# Altium PCB PCB1.PcbDoc
Units mm, origin at the board's own origin, x right, y up, seen from the top; angles counter-clockwise.
Board outline 40 x 70 mm, 2 copper layers (Top Layer, Bottom Layer), stack 1.58 mm thick; 57 components, 60 nets, 220 pads, 28 vias.
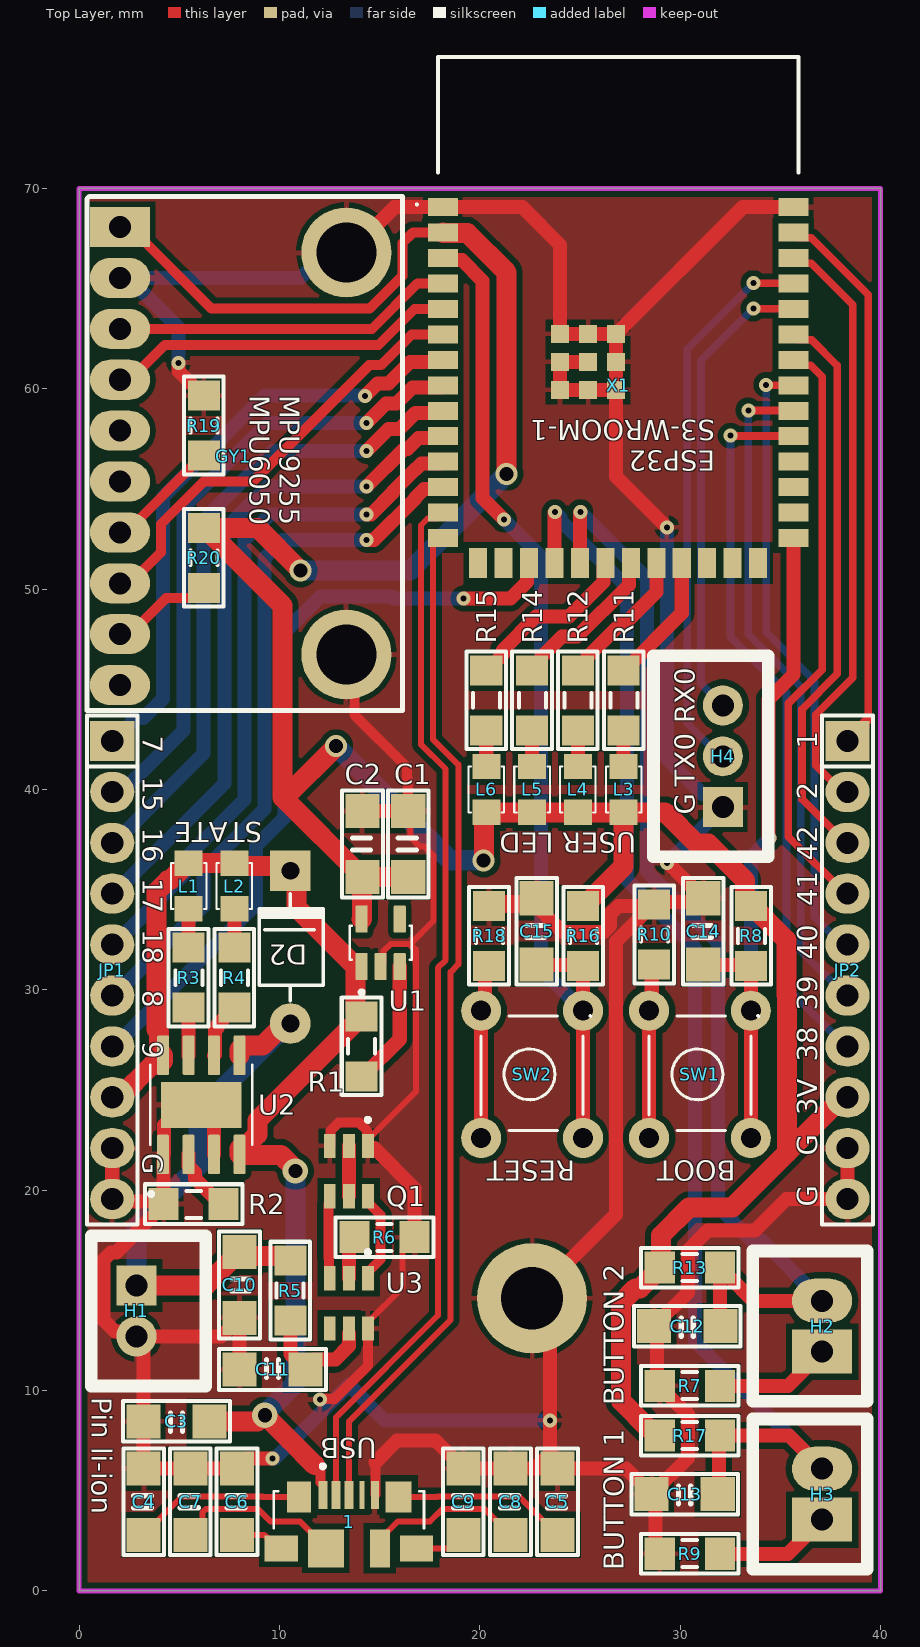
[diagram p0: Top Layer view]
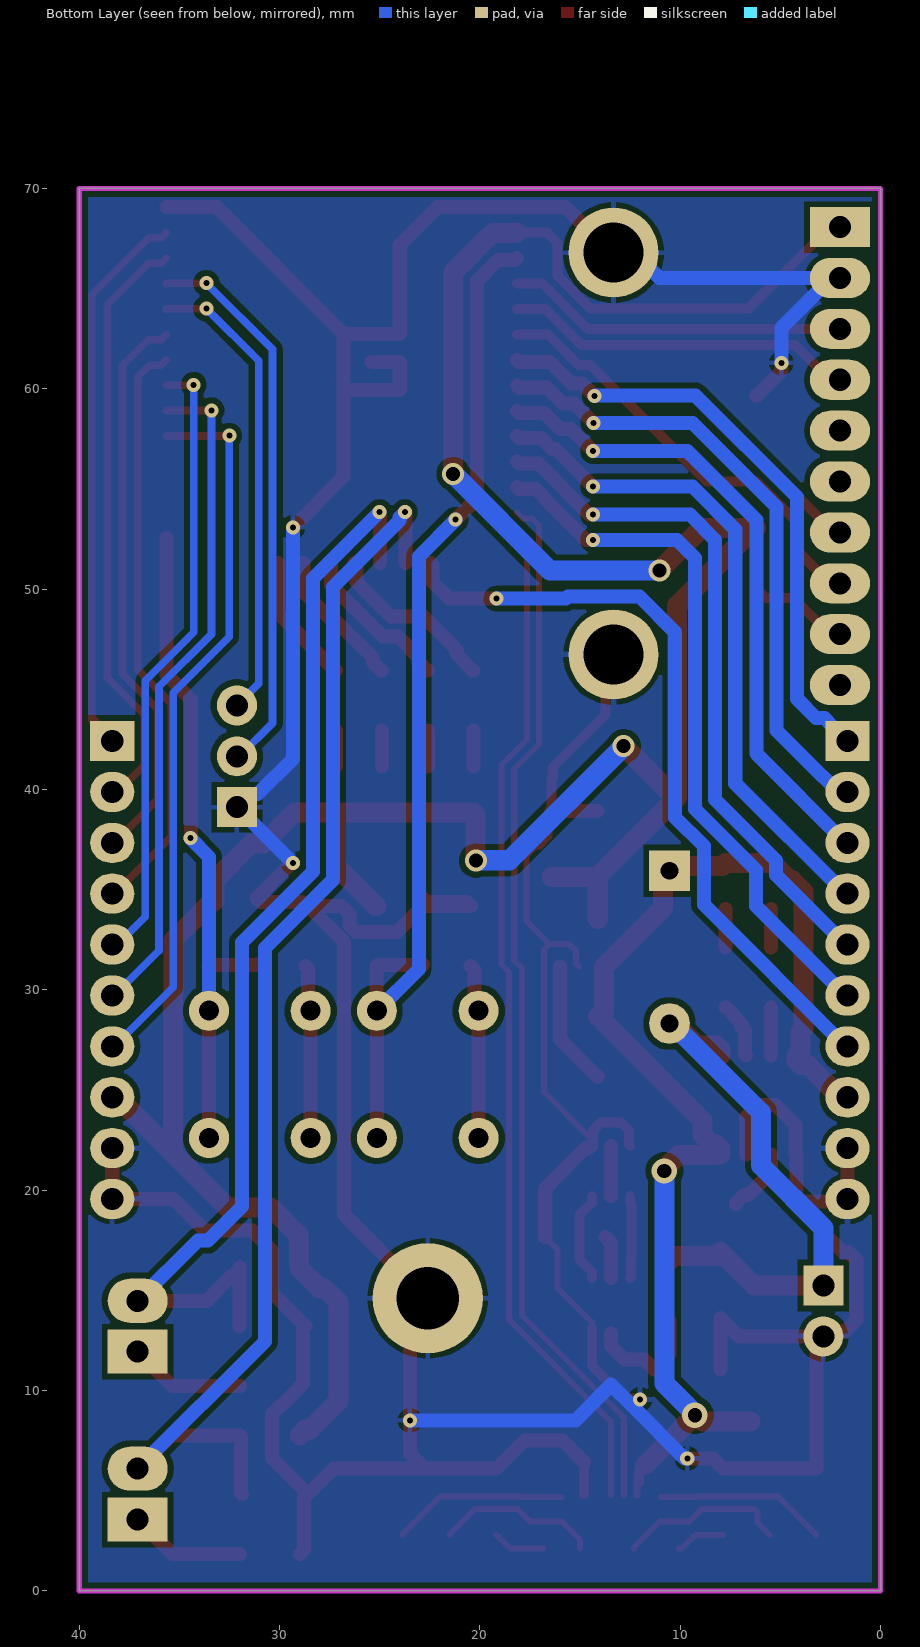
[diagram p1: Bottom Layer view, seen from below]
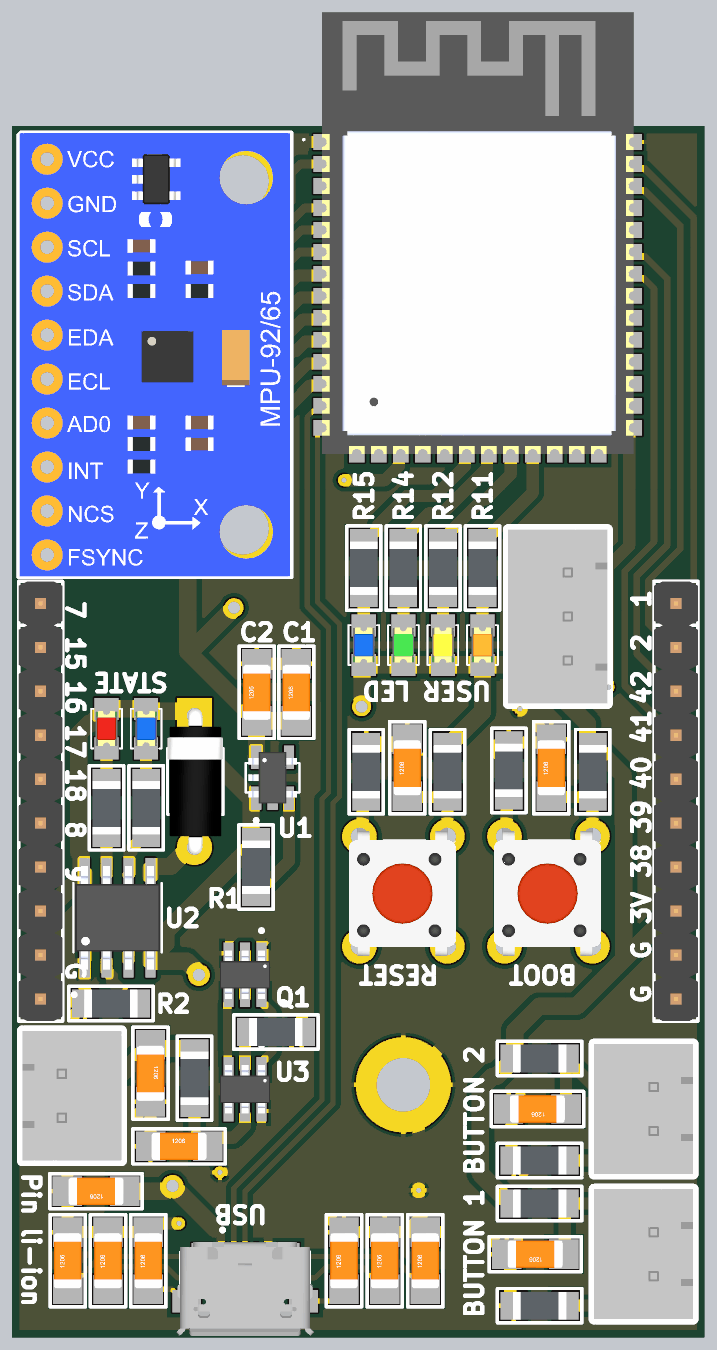
[diagram p2: 3D render of the assembled board from above, using the file's embedded part models]

## Layer stack, top to bottom
Top Solder: solder mask 0.01, Solder Resist, Dk 3.5
Top Layer: signal copper 0.035
Dielectric 1: dielectric 1.51, FR-4, Dk 4.8
Bottom Layer: signal copper 0.035
Bottom Solder: solder mask 0.01, Solder Resist, Dk 3.5

## Board outline
0,0 40,0 40,70 0,70

## Design rules (kind name [scope] priority, off if disabled: settings)
Clearance [All] p1: gap=0.3 ignorepadtopadclearanceinfootprint=FALSE except(0.2: Arc-SMDPad Track-SMDPad SMDPad-SMDPad)
HoleSize [All] p1: absolutevalues=TRUE maxlimit=6 minlimit=0.025 maxpercent=80.000 minpercent=20.000
HoleToHoleClearance [All] p1: gap=0 allowstackedmicrovias=TRUE
MinimumSolderMaskSliver [All] p1: minsoldermaskwidth=0
PolygonConnect [All] p1: connectstyle=Relief reliefconductorwidth=0.254 reliefentries=4 polygonreliefangle="90 Angle" airgapwidth=0.254
RoutingVias RoutingVias_power [InNetClass('power_class')] p1: holewidth=0.7 width=1.1 viastyle="Through Hole" minholewidth=0.7 minwidth=1.1 maxholewidth=0.7 maxwidth=1.1
RoutingVias RoutingVias_signal [All] p2: holewidth=0.3 width=0.7 viastyle="Through Hole" minholewidth=0.3 minwidth=0.7 maxholewidth=0.3 maxwidth=0.7
SilkToSilkClearance [All] p1: silktosilkclearance=0
SilkToSolderMaskClearance [IsPad] p1: minsilkscreentomaskgap=0 clearancetoexposedcopper=TRUE
SolderMaskExpansion [All] p1: expansion=0.102 istentingtop=FALSE
Width Width_power [InNetClass('power_class')] p1: maxlimit=1 minlimit=0.35 preferedwidth=0.5
Width Width_signal [All] p2: maxlimit=0.7 minlimit=0.3 preferedwidth=0.5
25 further rules are at their usual default settings.

## Classes and differential pairs
net class power_class: 3.3V 4.2V VIN

## Components (designator, comment, footprint, x,y, rotation, side; value= is the part's Value field where it differs from the comment)
1 "47346-0001" MOLEX_47346-0001 13.462,2.117 r0 top
C1 "10uF" "Cap 1206" 16.425,37.277 r90 top
C2 "1uF" "Cap 1206" 14.139,37.277 r90 top
C3 "100nF" "Cap 1206" 4.851,8.462 r180 top
C4 "100nF" "Cap 1206" 3.217,4.446 r90 top
C5 "100nF" "Cap 1206" 23.876,4.446 r90 top
C6 "100nF" "Cap 1206" 7.874,4.446 r90 top
C7 "100nF" "Cap 1206" 5.546,4.446 r90 top
C8 "100nF" "Cap 1206" 21.526,4.446 r90 top
C9 "100nF" "Cap 1206" 19.177,4.446 r90 top
C10 "10uF" "Cap 1206" 8.001,15.271 r270 top
C11 "100nF" "Cap 1206" 9.652,11.049 r0 top
C12 "100nF" "Cap 1206" 30.353,13.208 r180 top
C13 "100nF" "Cap 1206" 30.226,4.826 r180 top
C14 "100nF" "Cap 1206" 31.152,32.92 r90 top
C15 "100nF" "Cap 1206" 22.834,32.92 r90 top
D2 "100v" "DIODE 1A" 10.541,27.051 r270 top
GY1 "GY9250" GY9250 2.032,45.212 r0 top locked
H1 "Header 2P 2.54 Duc Thang" XH2.54M-2#1 2.858,15.24 r270 top
H2 "Header 2P 2.54 Duc Thang" XH2.54M-2#2 37.084,11.938 r90 top
H3 "Header 2P 2.54 Duc Thang" XH2.54M-2#2 37.084,3.556 r90 top
H4 "Header 3P 2.54 Duc Thang" XH2.54M-3 32.131,39.116 r90 top
JP1 "JP 1x10 2.54" "JP 1x10 DT" 1.651,42.418 r270 top
JP2 "JP 1x10 2.54" "JP 1x10 DT" 38.354,42.418 r270 top
L1 "LED 0805" LED-0805-Red 5.461,36.322 r270 top
L2 "LED 0805" LED-0805-Blue 7.747,36.322 r270 top
L3 "LED 0805" LED-0805-Orange 27.178,38.862 r90 top
L4 "LED 0805" LED-0805-Yellow 24.892,38.862 r90 top
L5 "LED 0805" LED-0805-Green 22.606,38.862 r90 top
L6 "LED 0805" LED-0805-Blue 20.32,38.862 r90 top
Q1 "FS8205" SOT95P280X145-6N 13.462,20.955 r270 top
R1 "10KR" "RES 1206" 14.097,27.178 r90 top
R2 "1K2R" "RES 1206" 5.715,19.304 r180 top
R3 "330R" "RES 1206" 5.461,30.607 r270 top
R4 "330R" "RES 1206" 7.747,30.607 r270 top
R5 "100R" "RES 1206" 10.541,14.986 r90 top
R6 "1KR" "RES 1206" 15.24,17.653 r180 top
R7 "100R" "RES 1206" 30.48,10.231 r0 top
R8 "10KR" "RES 1206" 33.54,32.692 r270 top
R9 "100R" "RES 1206" 30.48,1.849 r0 top
R10 "100R" "RES 1206" 28.702,32.766 r270 top
R11 "330R" "RES 1206" 27.178,44.45 r270 top
R12 "330R" "RES 1206" 24.892,44.45 r270 top
R13 "10KR" "RES 1206" 30.48,16.129 r0 top
R14 "330R" "RES 1206" 22.606,44.45 r270 top
R15 "330R" "RES 1206" 20.32,44.45 r270 top
R16 "10KR" "RES 1206" 25.158,32.692 r270 top
R17 "10KR" "RES 1206" 30.48,7.747 r0 top
R18 "100R" "RES 1206" 20.459,32.692 r270 top
R19 "10KR" "RES 1206" 6.223,58.166 r270 top
R20 "10KR" "RES 1206" 6.223,51.562 r270 top
SW1 "SW" SW4 28.448,22.606 r90 top value="Button chip 4 pin"
SW2 "SW" SW4 20.066,22.606 r90 top value="Button chip 4 pin"
U1 "AP2112K-3.3TRG1" SOT95P285X140-5N 15.052,32.343 r90 top
U2 "TP4056" SOP127P600X175-9N 6.096,24.257 r90 top
U3 "DW01A" SOT95P280X145-6N 13.462,14.351 r270 top
X1 "ESP32-S3-WROOM-1-N16R8" ESP32S3WROOM1N8R2 26.903,63.804 r0 top

## Footprints (in the part's own frame and the unit in brackets; to place one, negate y for a bottom-side part, rotate by r counter-clockwise, add the part's x,y. Pads: shape width x height; smd on the part's side, far side on the other; paste and mask are expansions set on the pad)
"Cap 1206" [mm]
  rect 1.7x1.7 smd: 1(-1.65,0) 2(1.65,0)
  silkscreen extent -2.67,-1.02 2.67,1.02, body extent -1.6,-0.8 1.6,0.8, height 1.02
"DIODE 1A" [mil] "Diode 1A"
  round 80 hole 35: 1(-50,0)
  rect 80x80 hole 35: 2(-350,0)
  silkscreen extent -305,-61 -95,65, body extent -366,-61 -34,65, height 122
ESP32S3WROOM1N8R2 [mm]
  rect 1.5x0.9 smd: 1(-8.75,5.26) 2(-8.75,3.99) 3(-8.75,2.72) 4(-8.75,1.45) 5(-8.75,0.18) 6(-8.75,-1.09) 7(-8.75,-2.36) 8(-8.75,-3.63) 9(-8.75,-4.9) 10(-8.75,-6.17) 11(-8.75,-7.44) 12(-8.75,-8.71) 13(-8.75,-9.98) 14(-8.75,-11.25) 27(8.75,-11.25) 28(8.75,-9.98) 29(8.75,-8.71) 30(8.75,-7.44) 31(8.75,-6.17) 32(8.75,-4.9) 33(8.75,-3.63) 34(8.75,-2.36) 35(8.75,-1.09) 36(8.75,0.18) 37(8.75,1.45) 38(8.75,2.72) 39(8.75,3.99) 40(8.75,5.26)
  rect 0.9x1.5 smd: 15(-6.985,-12.5) 16(-5.715,-12.5) 17(-4.445,-12.5) 18(-3.175,-12.5) 19(-1.905,-12.5) 20(-0.635,-12.5) 21(0.635,-12.5) 22(1.905,-12.5) 23(3.175,-12.5) 24(4.445,-12.5) 25(5.715,-12.5) 26(6.985,-12.5)
  rect 0.9x0.9 smd: 41(-1.5,-2.46) 42(-1.5,-1.06) 43(-2.9,-1.06) 44(-2.9,-2.46) 45(-2.9,-3.86) 46(-1.5,-3.86) 47(-0.1,-3.86) 48(-0.1,-2.46) 49(-0.1,-1.06)
  silkscreen extent -10.1,5.35 9,12.75, body extent -9,-12.75 9,12.75, height 3.25
GY9250 [mm]
  rect 3x2 hole 1.1: 1(0,22.86)
  oval 3x2 hole 1.1: 2(0,20.32) 3(0,17.78) 4(0,15.24) 5(0,12.7) 6(0,10.16) 7(0,7.62) 8(0,5.08) 9(0,2.54) 10(0,0)
  round 4.5 hole 3: ""(11.303,1.524) ""(11.303,21.59)
  silkscreen extent -1.65,-1.27 14.1,24.38, body extent -1.59,-1.23 14.01,24.37, height 13.1
"JP 1x10 DT" [mm] "10 pins, 1 row, straight, gold plating"
  rect 2x2.2 hole 1.1: 1(0,0)
  oval 2x2.2 hole 1.1: 2(2.54,0) 3(5.08,0) 4(7.62,0) 5(10.16,0) 6(12.7,0) 7(15.24,0) 8(17.78,0) 9(20.32,0) 10(22.86,0)
  silkscreen extent -1.27,-1.27 24.13,1.27, body extent -1.27,-1.27 24.13,1.27, height 8.54
LED-0805-Blue [mil]
  rect 50x55 smd: 1(0,0) 2(90,0)
  silkscreen extent 0,-35 90,35, body extent 5,-25 85,25, height 43
LED-0805-Green [mil]
  rect 50x55 smd: 1(0,0) 2(90,0)
  silkscreen extent 0,-35 90,35, body extent 5,-25 85,25, height 43
LED-0805-Orange [mil]
  rect 50x55 smd: 1(0,0) 2(90,0)
  silkscreen extent 0,-35 90,35, body extent 5,-25 85,25, height 43
LED-0805-Red [mil]
  rect 50x55 smd: 1(0,0) 2(90,0)
  silkscreen extent 0,-35 90,35, body extent 5,-25 85,25, height 43
LED-0805-Yellow [mil]
  rect 50x55 smd: 1(0,0) 2(90,0)
  silkscreen extent 0,-35 90,35, body extent 5,-25 85,25, height 43
MOLEX_47346-0001 [mm]
  rect 0.45x1.4 smd: 1(-1.3,2.66) 2(-0.65,2.66) 3(0,2.667)
  rect 0.25x1.4 smd: 4(0.65,2.66)
  rect 0.4x1.4 smd: 5(1.3,2.66)
  rect 1.2x1.55 smd: S1(-2.488,2.575)
  rect 1.3x1.55 smd: S2(2.488,2.575)
  rect 1.65x1.3 smd: S3(-3.375,0) S6(3.375,0)
  rect 1.8x1.9 smd: S4(-1.15,0)
  rect 1x1.9 smd: S5(1.55,0)
  silkscreen extent -3.75,1 3.75,4.2, body extent -3.99,-2.02 3.99,3.41, height 3.47
"RES 1206" [mm]
  rect 1.5x1.6 smd: 1(-1.5,0) 2(1.5,0)
  silkscreen extent -2.44,-0.99 2.44,0.99, body extent -1.55,-0.8 1.55,0.8, height 0.55
SOP127P600X175-9N [mm]
  rrect25% 1.97x0.6 smd: 1(-2.475,1.905) 2(-2.475,0.635) 3(-2.475,-0.635) 4(-2.475,-1.905) 5(2.475,-1.905) 6(2.475,-0.635) 7(2.475,0.635) 8(2.475,1.905)
  rect 2.3x4 smd paste-3: 9(0,0)
  silkscreen extent -4.54,-2.55 2,2.6, body extent -3,-2.45 3,2.45, height 1.75
SOT95P280X145-6N [mm]
  rect 1.21x0.59 smd: 1(-1.255,0.95) 2(-1.255,0) 3(-1.255,-0.95) 4(1.255,-0.95) 5(1.255,0) 6(1.255,0.95)
  silkscreen extent -2.65,0.85 -2.46,1.05, body extent -1.4,-1.45 1.4,1.45, height 1.45
SOT95P285X140-5N [mm]
  rrect15% 1.35x0.6 smd: 1(-1.185,0.95) 2(-1.185,0) 3(-1.185,-0.95) 4(1.185,-0.95) 5(1.185,0.95)
  silkscreen extent -2.57,-1.55 0.85,1.55, body extent -1.5,-1.4 1.5,1.4, height 1.4
SW4 [mm] "SW button 4pin, 250 x250 mil"
  round 2 hole 1: 1(0,0) 2(6.35,-5.08) 3(6.35,0) 4(0,-5.08)
  silkscreen extent 0.38,-5.46 6.1,0, body extent -0.9,-5.59 7,0.61, height 7
XH2.54M-2#1 [mm]
  rect 2x2 hole 1.1: 1(0,0)
  round 2 hole 1.1: 2(2.54,0)
  silkscreen extent -2.48,-2.26 5.02,3.46, body extent -2.48,-2.26 5.02,3.48, height 6.91
XH2.54M-2#2 [mm]
  rect 2.2x3 hole 1.1: 1(0,0)
  oval 2.2x3 hole 1.1: 2(2.54,0)
  silkscreen extent -2.48,-2.26 5.02,3.46, body extent -2.48,-2.26 5.02,3.48, height 6.91
XH2.54M-3 [mm]
  rect 2x2 hole 1.1: 1(0,0)
  round 2 hole 1.1: 2(2.54,0) 3(5.08,0)
  silkscreen extent -2.48,-2.26 7.56,3.46, body extent -2.48,-2.26 7.56,3.48, height 6.91

## Part data
1: "Conn Data USB Micro B w/Flange SMT Bottom Mnt LF", Package=None, Check_prices=https://www.snapeda.com/parts/47346-0001/Molex/view-part/?ref=eda, MF=Molex, MP=47346-0001, SnapEDA_Link=https://www.snapeda.com/parts/47346-0001/Molex/view-part/?ref=snap
C1 C2 C3 C4 C5 C6 C7 C8 C9 C10 C11 C12 C13 C14 C15: library part "Cap 1206", "Capacitor SMD 1206"
D2: library part "Diode 1N4007", "Cắm", Chung_Loai=Cắm, Don_Vi=Con, Ma_Hang=MH001063, Ten_Linh_Kien="Diode 1N4007 1A (DIP)"
H1 H2 H3 H4: "Cắm", Chung_Loai=Cắm, Don_Vi=Con
  H1 H2 H3: Ma_Hang=MH001283, Ten_Linh_Kien="Header 2P XH2.54-2P Đực Thẳng"
  H4: Ma_Hang=MH001292, Ten_Linh_Kien="Header 3P XH2.54-3P Đực Thẳng"
JP1 JP2: library part "JP 1x10 2.54 Duc Thang", "Cắm", Chung_Loai=Cắm, Don_Vi=Con, Ma_Hang=MH000903, Ten_Linh_Kien="Jump Đơn Đực 2.54MM 1x40P Thẳng 11MM"
L1: library part "LED 0805 Do", "Dán", Chung_Loai=Dán, Don_Vi=Con, Ma_Hang=MH000897, Ten_Linh_Kien="LED 0805 Màu Đỏ (Red)"
L2 L6: library part "LED 0805 Xanh Duong", "Dán", Chung_Loai=Dán, Don_Vi=Con, Ma_Hang=MH002327, Ten_Linh_Kien="LED 0805 Màu Xanh Dương (Blue)"
L3: library part "LED 0805 Cam", "Dán", Chung_Loai=Dán, Don_Vi=Con, Ma_Hang=MH002328, Ten_Linh_Kien="LED 0805 Màu Cam ( Orange)"
L4: library part "LED 0805 Vang", "Dán", Chung_Loai=Dán, Don_Vi=Con, Ma_Hang=MH002329, Ten_Linh_Kien="LED 0805 Màu Vàng ( Yellow)"
L5: library part "LED 0805 Xanh La", "Dán", Chung_Loai=Dán, Don_Vi=Con, Ma_Hang=MH002326, Ten_Linh_Kien="LED 0805 Màu Xanh Lá (Green)"
Q1: "ÐœÐžÐŸ-Ñ‚Ñ€Ð°Ð½Ð·Ð¸ÑÑ‚Ð¾Ñ€ Ñ Ð´Ð²Ð¾Ð¹Ð½Ñ‹Ð¼ N-ÐºÐ°Ð½Ð°Ð»ÑŒÐ½Ñ‹Ð¼ Ñ€ÐµÐ¶Ð¸Ð¼Ð¾Ð¼ ÑƒÑÐ¸Ð»ÐµÐ½Ð¸Ñ Ð¼Ð¾Ñ‰Ð½Ð¾ÑÑ‚Ð¸", Package=Package, Check_prices=https://www.snapeda.com/parts/FS8205/Fortune+Semiconductor/view-part/?ref=eda, MF="Fortune Semiconductor", MP=FS8205, SnapEDA_Link=https://www.snapeda.com/parts/FS8205/Fortune+Semiconductor/view-part/?ref=snap
R1 R2 R3 R4 R5 R6 R7 R8 R9 R10 R11 R12 R13 R14 R15 R16 R17 R18 R19 R20: library part "RES 1206", "RES SMD 1206", Manufacturer="Vishay Dale", Manufacturer Part Number=CRCW040210K0FKED, Operating Temperature="-55°C ~ 155°C", Package / Case="0402 (1005 Metric)", Power (Watts)="0.063W, 1/16W", Resistance (Ohms)=10k, Supplier Part Number 1=541-10.0KLCT-ND, Temperature Coefficient=±100ppm/°C, Tolerance=±1%, Category=Resistors, ComponentLink1Description=http://www.vishay.com/docs/20035/dcrcwe3.pdf, ComponentLink1URL=http://www.vishay.com/docs/20035/dcrcwe3.pdf, Composition="Thick Film", Features="Automotive AEC-Q200", Height="0.016\" (0.40mm)", Number of Terminations=2, Packaging="Cut Tape (CT)", Pricing 1="10=0.083, 50=0.0444, 200=0.0255, 1000=0.0174 (USD)", RoHS="RoHS Compliant", Size / Dimension="0.039\" L x 0.020\" W (1.00mm x 0.50mm)", Stock 1=2392462, Supplier 1=Digi-Key, Supplier Device Package="0402 (1005 Metric)"
SW1 SW2: library part SW4, "Switch button 4 pin"
U1: "Linear Voltage Regulator IC Positive Fixed 1 Output 600mA SOT-25", Package="SOT-753 Diodes Inc.", Availability="In Stock", Check_prices=https://www.snapeda.com/parts/AP2112K-3.3TRG1/Diodes+Inc./view-part/?ref=eda, MF="Diodes Inc.", MP=AP2112K-3.3TRG1, Price=None, Purchase-URL=https://pricing.snapeda.com/search/part/AP2112K-3.3TRG1/?ref=eda, SnapEDA_Link=https://www.snapeda.com/parts/AP2112K-3.3TRG1/Diodes+Inc./view-part/?ref=snap
U2: "Complete single cell Li-Ion battery with a constant current / constant voltage linear charger", Package=Package, Availability="Not in stock", Check_prices=https://www.snapeda.com/parts/TP4056/NanJing+Top+Power+ASIC+Corp./view-part/?ref=eda, MF="NanJing Top Power ASIC Corp.", MP=TP4056, Price=None, SnapEDA_Link=https://www.snapeda.com/parts/TP4056/NanJing+Top+Power+ASIC+Corp./view-part/?ref=snap
U3: "One Cell Lithium-ion/Polymer Battery Protection IC", Package="SOT-23-6 Fortune Semiconductor", Check_prices=https://www.snapeda.com/parts/DW01A/Fortune+Semiconductor/view-part/?ref=eda, MF="Fortune Semiconductor", MP=DW01A, SnapEDA_Link=https://www.snapeda.com/parts/DW01A/Fortune+Semiconductor/view-part/?ref=snap
X1: "Bluetooth, WiFi 802.11b/g/n, Bluetooth v5.0 Transceiver Module 2.4GHz PCB Trace Surface Mount", Package="NON STANDARD Espressif Systems", Check_prices=https://www.snapeda.com/parts/ESP32-S3-WROOM-1-N16R8/Espressif+Systems/view-part/?ref=eda, MF="Espressif Systems", MP=ESP32-S3-WROOM-1-N16R8, SnapEDA_Link=https://www.snapeda.com/parts/ESP32-S3-WROOM-1-N16R8/Espressif+Systems/view-part/?ref=snap

## Free pads (board coordinates)
  round 5.5 hole 3.1: ""(22.606,14.605)

## Via types
v1: diameter 0.7, hole 0.3, Top Layer to Bottom Layer, 22 vias
v2: diameter 1.1, hole 0.7, Top Layer to Bottom Layer, 4 vias
v3: diameter 1.27, hole 0.711, Top Layer to Bottom Layer, 2 vias

## Nets (pads, with @x,y where several pads share a name; then routed paths per layer and width w, separated by ;. In a path a pad name is that pad's centre, name@x,y a point inside that pad or via, vN(x,y) a via of type N, cw(c..) or ccw(c..) an arc to the next point about the centre after c; other vN are vias at no path point)
3.3V: C1.1 C2.1 GY1.1 JP2.8 L3.1 L4.1 L5.1 L6.1 R8.1 R13.1 R16.1 R17.1 R20.1 U1.5 X1.2 | length 151.9
  Top Layer w0.5: GY1.1 2.532,68.072 6.602,64.002 14.495,64.002 16.135,65.642 16.135,67.276 16.653,67.794 X1.2
  Top Layer w1: R20.1 R20.1@6.273,53.062 ; v2(11.049,50.927) 8.914,53.062 R20.1@6.273,53.062 ; v2(12.827,42.164) 10.273,39.61 10.156,39.61 ; U1.5 14.12,33.547 14.12,35.608 C2.1 ; C1.1 C2.1 ; X1.2 18.173,67.774 19.379,67.774 21.336,65.817 v2(21.336,55.753) ; v2(20.193,36.449) 20.212,36.468 20.212,38.754 L6.1 L5.1 L4.1 L3.1 ; R16.1 25.208,34.192 27.178,36.162 L3.1 ; R17.1 28.98,7.797 28.73,8.047 28.483,8.047 27.053,9.477 27.053,14.389 27.76,15.097 27.997,15.097 28.98,16.079 R13.1 29.042,16.191 29.042,17.739 30.448,19.145 32.612,19.145 35.328,21.86 ; JP2.8 38.106,24.638 35.328,21.86 ; R20.1@6.273,53.062 10.156,49.179 10.156,39.61 ; 10.156,39.61 C2.1 ; L3.1 29.254,38.862 30.809,37.307 31.4,37.307 33.24,35.467 33.24,34.442 33.34,34.442 35.299,32.483 35.299,29.731 35.328,29.702 35.328,21.86
  Bottom Layer w1: v2(11.049,50.927) 16.51,50.927 v2(21.336,55.753) ; v2(12.827,42.164) 18.523,36.468 20.174,36.468 v2(20.193,36.449)
4.2V: C10.1 D2.1 H1.1 R5.2 U2.5 | length 28.3
  Top Layer w1: H1.1 6.32,15.24 C10.1 8.218,16.703 10.324,16.703 R5.2 ; U2.5 8.001,27.017 8.201,27.217 9.158,27.217 10.262,28.321 D2.1
  Bottom Layer w1: H1.1 2.859,18.12 5.969,21.23 5.969,23.876 10.414,28.321 D2.1
B-: 1.5 C1.2 C2.2 C3.2 C4.2 C5.2 C6.2 C7.2 C8.2 C9.2 C10.2 C11.1 C12.2 C13.2 C14.2 C15.2 GY1. GY1.2 H1.2 H4.1 JP1.9 JP1.10 JP2.9 JP2.10 pad. Q1.1 Q1.3 R2.2 R6.1 R7.1 R9.1 R10.1 R18.1 R19.1 U1.2 U2.1 U2.3 U2.9 U3.6 X1.1 X1.40 X1.41 X1.42 X1.43 X1.44 X1.45 X1.46 X1.47 X1.48 X1.49 | length 295.1
  Top Layer w0.3: U3.6 14.412,13.406 16.14,15.134 16.14,17.053 R6.1 ; Q1.1@14.412,22.52 16.802,24.91 16.802,32.007 16.526,32.283 ; U1.2 15.202,31.308 15.202,31.943 15.542,32.283 16.526,32.283 ; C1.2 16.526,38.826 16.526,37.627 17.008,37.145 17.243,37.145 17.688,36.7 17.688,33.445 16.526,32.283
  Top Layer w0.4: 1.5 1.5@14.8,4.814
  Top Layer w0.5: v1(12.012,9.549) 12.05,9.587 12.762,9.587 14.412,11.237 U3.6 ; Q1.3 12.557,22.255 12.557,22.983 12.939,23.365 13.985,23.365 14.367,22.983 14.367,22.255 Q1.1 ; GY1.@13.335,46.736 13.734,46.337 13.734,43.736 16.353,41.117 16.353,40.599 16.425,40.527 C1.2 ; 1.5@14.8,4.814 14.8,6.418
  Top Layer w0.7: JP1.9 JP1.10 1.778,19.431 4.038,19.431 R2.2@4.203,19.266 ; v1(4.953,61.292) 4.953,60.886 6.173,59.666 R19.1 ; U2.3 6.731,23.622 U2.9 5.246,24.257 4.241,23.252 4.241,21.832 U2.1 4.203,21.77 R2.2@4.203,19.266 ; C11.1 C10.2 7.08,12.7 H1.2 ; v1(9.652,6.604) 9.644,6.596 8.374,6.596 C6.2 C7.2 C4.2 3.209,6.104 3.209,8.454 C3.2 3.201,12.114 2.859,12.456 H1.2 ; GY1.@13.335,66.802 13.478,66.802 15.74,69.064 X1.1 22.122,69.064 24.003,67.183 X1.43 X1.42 X1.49 ; C2.2 C1.2 ; Q1.1@14.462,22.21 14.574,22.098 14.732,22.098 16.74,20.09 R6.1 ; 14.8,6.418 15.875,7.493 17.78,7.493 C9.2 C8.2 22.733,6.096 ; C15.2 22.645,34.381 20.648,34.381 R18.1 22.83,34.192 24.13,32.892 26.186,32.892 26.508,33.214 26.508,33.782 26.918,34.192 R10.1@28.578,34.192 ; X1.41 X1.44 X1.45 X1.46 X1.47 ; R9.1 28.778,2.051 28.778,4.624 C13.2 ; v1(29.337,36.322) 29.401,36.322 C14.2 30.963,34.381 28.903,34.381 28.714,34.192 R10.1@28.578,34.192 ; v1(29.337,53.086) 26.803,55.62 X1.47 ; H4.1 H4.1@32.781,38.466 ; X1.40 33.123,69.064 X1.49 ; JP2.9 JP2.10 35.297,19.558 33.733,17.995 31.376,17.995 30.38,16.998 30.38,14.885 C12.2 28.841,13.07 28.841,10.37 R7.1 28.98,10.181 29.964,9.197 29.999,9.197 30.38,8.816 30.38,6.63 C13.2 ; H1.2 2.61,12.949 1.783,12.949 1.209,13.523 1.209,16.509 1.589,16.89 1.851,16.89 4.215,19.254 R2.2@4.203,19.266 ; 22.733,6.096 23.495,6.858 v1(23.495,8.509) 23.495,13.716 pad. 26.798,18.797 26.798,32.412 R10.1@28.578,34.192 ; 22.733,6.096 C5.2 27.306,6.096 C13.2 ; X1.47 X1.48 X1.49
  Bottom Layer w0.7: GY1.2 GY1.2@2.532,65.532 ; v1(4.953,61.292) 4.953,63.047 2.532,65.468 GY1.2@2.532,65.532 ; v1(9.652,6.604) 9.779,6.604 12.368,9.193 ; v1(12.012,9.549) 12.368,9.193 ; GY1.@13.335,66.802 12.307,66.802 11.037,65.532 GY1.2@2.532,65.532 ; v1(23.495,8.509) 15.24,8.509 13.462,10.287 12.368,9.193 ; v1(29.337,36.322) H4.1 31.481,39.766 31.1,39.766 29.337,41.529 v1(29.337,53.086)
BOOT: C14.1 R8.2 SW1.2 SW1.4 X1.27 | length 35.5
  Top Layer w0.7: C14.1 31.192,31.231 33.501,31.231 R8.2 33.534,31.186 33.534,28.962 SW1.2 SW1.4 ; v1(34.459,37.569) 34.417,37.611 34.417,44.496 35.653,45.732 X1.27
  Bottom Layer w0.7: SW1.2 33.528,36.637 v1(34.459,37.569)
BUTTON1: C13.1 H3.2 R17.2 X1.18 | length 64.6
  Top Layer w0.7: X1.18 23.728,53.827 v1(23.749,53.848) ; C13.1 31.928,4.878 31.928,7.695 R17.2 35.433,7.747 H3.2
  Bottom Layer w0.7: v1(23.749,53.848) 24.019,53.578 24.019,53.434 27.337,50.116 27.337,35.494 30.734,32.097 30.734,12.446 H3.2
BUTTON2: C12.1 H2.2 R13.2 X1.19 | length 55.9
  Top Layer w0.7: X1.19 24.998,53.827 v1(25.019,53.848) ; R13.2 31.992,16.118 R13.2@31.992,16.068 ; C12.1 31.992,13.22 R13.2@31.992,16.068 ; H2.2 33.631,14.478 32.43,15.679 32.38,15.679 R13.2@31.992,16.068
  Bottom Layer w0.7: v1(25.019,53.848) 28.337,50.53 28.337,35.908 31.877,32.368 31.877,19.177 33.569,17.485 34.077,17.485 H2.2
CHRG_LED: R3.2 U2.7 | length 2.4
  Top Layer w0.7: U2.7 R3.2
INT: GY1.8 X1.6 | length 22.1
  Top Layer w0.5: GY1.8 2.532,50.292 4.082,51.842 4.082,53.249 6.199,55.366 8.665,55.366 14.479,61.18 15.067,61.18 16.601,62.714 X1.6
IO1: JP2.1 X1.39 | length 26.6
  Top Layer w0.381: X1.39 35.913,67.534 36.536,67.534 39.383,64.688 39.383,43.52 39.323,43.461
  Top Layer w0.5: JP2.1@39.204,43.168 39.204,43.342 39.323,43.461
IO2: JP2.2 X1.38 | length 29.8
  Top Layer w0.381: X1.38 35.913,66.264 36.536,66.264 38.608,64.193 38.608,45.572 36.764,43.727 36.764,41.215 38.1,39.878 JP2.2
IO7: JP1.1 X1.7 | length 30.4
  Top Layer w0.7: v1(14.27,59.644) 14.899,60.272 15.432,60.272 16.504,61.344 18.053,61.344 X1.7
  Bottom Layer w0.7: JP1.1 1.751,42.418 2.401,43.068 2.401,43.152 2.811,43.562 3.215,43.562 4.182,44.529 4.182,54.601 9.252,59.671 14.243,59.671 v1(14.27,59.644)
IO8: JP1.6 X1.12 | length 35.4
  Top Layer w0.7: v1(14.351,52.451) 14.705,52.451 16.753,54.499 16.753,54.543 17.204,54.994 18.053,54.994 X1.12
  Bottom Layer w0.7: JP1.6 1.751,29.718 6.215,34.182 6.215,35.981 9.256,39.022 9.256,51.547 10.16,52.451 v1(14.351,52.451)
IO9: JP1.7 X1.17 | length 38.5
  Top Layer w0.7: v1(19.177,49.53) 21.533,49.53 22.358,50.355 22.358,51.204 X1.17
  Bottom Layer w0.7: JP1.7 1.751,27.178 8.822,34.249 8.822,37.173 10.256,38.607 10.256,47.848 12.044,49.636 15.602,49.636 15.708,49.53 v1(19.177,49.53)
IO15: JP1.2 X1.8 | length 31.4
  Top Layer w0.7: v1(14.342,58.302) 15.313,59.272 15.846,59.272 16.648,60.074 18.053,60.074 X1.8
  Bottom Layer w0.7: JP1.2 2.103,39.878 2.879,40.654 2.906,40.654 5.207,42.955 5.207,54.102 9.398,58.293 14.334,58.293 v1(14.342,58.302)
IO16: JP1.3 X1.9 | length 32.3
  Top Layer w0.7: v1(14.351,56.896) 15.449,57.994 15.982,57.994 16.792,58.804 18.053,58.804 X1.9
  Bottom Layer w0.7: JP1.3 1.751,37.338 6.207,41.794 6.207,53.451 9.652,56.896 v1(14.351,56.896)
IO17: JP1.4 X1.10 | length 33.4
  Top Layer w0.7: v1(14.351,55.118) 16.227,56.994 16.396,56.994 16.936,57.534 18.053,57.534 X1.10
  Bottom Layer w0.7: JP1.4 1.751,34.798 7.256,40.303 7.256,52.976 9.398,55.118 v1(14.351,55.118)
IO18: JP1.5 X1.11 | length 34.5
  Top Layer w0.7: v1(14.351,53.721) 14.561,53.721 15.675,54.835 15.675,54.88 16.79,55.994 16.811,55.994 17.081,56.264 18.053,56.264 X1.11
  Bottom Layer w0.7: JP1.5 1.751,32.258 5.215,35.722 5.215,36.457 8.256,39.498 8.256,52.452 9.525,53.721 v1(14.351,53.721)
IO38: JP2.7 X1.31 | length 36.1
  Top Layer w0.381: v1(32.512,57.658) 32.524,57.646 35.641,57.646 X1.31
  Bottom Layer w0.381: v1(32.512,57.658) 32.512,47.625 35.306,44.831 35.306,30.126 38.254,27.178 JP2.7
IO39: JP2.6 X1.32 | length 33.6
  Top Layer w0.381: v1(33.401,58.928) 33.413,58.916 35.641,58.916 X1.32
  Bottom Layer w0.381: v1(33.401,58.928) 33.401,47.752 36.022,45.131 36.022,31.95 38.254,29.718 JP2.6
IO40: JP2.5 X1.33 | length 31.1
  Top Layer w0.381: v1(34.29,60.198) 34.302,60.186 35.641,60.186 X1.33
  Bottom Layer w0.381: v1(34.29,60.198) 34.29,47.849 36.703,45.436 36.703,33.655 38.1,32.258 JP2.5
IO41: JP2.4 X1.34 | length 29.6
  Top Layer w0.381: X1.34 35.913,61.184 36.509,61.184 37.084,60.61 37.084,45.974 35.402,44.292 35.402,37.65 38.254,34.798 JP2.4
IO42: JP2.3 X1.35 | length 28.4
  Top Layer w0.381: X1.35 35.913,62.454 36.554,62.454 37.846,61.162 37.846,45.773 36.083,44.009 36.083,39.509 38.254,37.338 JP2.3
LED1: R15.1 X1.20 | length 8.8
  Top Layer w0.7: R15.1 20.37,45.95 21.156,46.736 21.156,46.969 22.814,48.627 24.44,48.627 26.168,50.355 26.168,51.204 X1.20
LED2: R14.1 X1.21 | length 7.9
  Top Layer w0.7: R14.1 22.656,45.95 23.056,46.35 23.056,46.583 24.1,47.627 24.854,47.627 27.438,50.211 27.438,51.204 X1.21
LED3: R12.1 X1.22 | length 7.1
  Top Layer w0.7: R12.1 24.942,45.95 25.342,46.35 25.342,46.583 27.176,48.418 27.36,48.418 28.808,49.866 X1.22
LED4: R11.1 X1.23 | length 6.6
  Top Layer w0.7: R11.1 27.228,45.95 30.078,48.8 X1.23
Net1_S1: 1.S1 C4.1 | length 8.6
  Top Layer w0.3: C4.1 4.246,3.824 4.246,3.832 5.109,4.696 9.159,4.696 9.163,4.692 1.S1
Net1_S2: 1.S2 C5.1 | length 8.7
  Top Layer w0.3: 1.S2 17.888,4.692 17.892,4.696 21.976,4.696 C5.1
Net1_S3: 1.S3 C6.1 | length 2.5
  Top Layer w0.3: C6.1 9.233,2.796 9.912,2.117 1.S3
Net1_S4: 1.S4 C7.1 | length 8.5
  Top Layer w0.3: C7.1 6.158,3.408 6.158,3.92 6.334,4.096 8.91,4.096 9.54,3.467 11.012,3.467 12.312,2.167 1.S4
Net1_S5: 1.S5 C8.1 | length 8.1
  Top Layer w0.3: 1.S5 15.012,2.567 15.912,3.467 17.511,3.467 18.141,4.096 20.227,4.096 C8.1
Net1_S6: 1.S6 C9.1 | length 2.6
  Top Layer w0.3: 1.S6 18.498,2.117 C9.1
NetC11_2: C11.2 R5.1 U3.5 | length 6
  Top Layer w0.7: R5.1 10.541,11.81 C11.2 11.802,11.549 12.784,11.549 13.457,12.222 U3.5@13.457,12.841
NetGY1_7: GY1.7 R19.2 | length 5.8
  Top Layer w0.5: GY1.7 2.339,52.832 6.173,56.666 R19.2
NetGY1_9: GY1.9 R20.2 | length 5.1
  Top Layer w0.5: GY1.9 2.532,47.752 4.342,49.562 5.723,49.562 R20.2
NetH2_1: H2.1 R7.2 | length 5.8
  Top Layer w0.7: R7.2 35.377,10.231 H2.1
NetH3_1: H3.1 R9.2 | length 5.8
  Top Layer w0.7: R9.2 35.377,1.849 H3.1
NetL1_2: L1.2 R3.1 | length 1.9
  Top Layer w0.7: R3.1 L1.2
NetL2_2: L2.2 R4.1 | length 1.9
  Top Layer w0.7: R4.1 L2.2
NetL3_2: L3.2 R11.2 | length 1.8
  Top Layer w0.7: L3.2 R11.2
NetL4_2: L4.2 R12.2 | length 1.8
  Top Layer w0.7: L4.2 R12.2
NetL5_2: L5.2 R14.2 | length 1.8
  Top Layer w0.7: L5.2 R14.2
NetL6_2: L6.2 R15.2 | length 1.8
  Top Layer w0.7: L6.2 R15.2
NetQ1_2: Q1.2 Q1.5 | length 2.5
  Top Layer w0.7: Q1.5 Q1.2
NetQ1_4: Q1.4 U3.3 | length 4.2
  Top Layer w0.5: U3.3 12.467,15.651 12.467,16.598 12.44,16.625 12.44,19.318 12.512,19.39 Q1.4
NetQ1_6: Q1.6 U3.1 | length 4.6
  Top Layer w0.5: U3.1 14.412,15.916 15.04,16.544 15.04,18.762 14.412,19.39 Q1.6
NetR1_1: R1.1 U1.3 | length 6.3
  Top Layer w0.7: R1.1 14.147,25.678 16.002,27.533 U1.3
NetR2_1: R2.1 U2.2 | length 3.3
  Top Layer w0.7: U2.2 5.461,21.197 5.781,20.877 5.781,20.572 6.599,19.754 6.815,19.754 7.215,19.354 R2.1
NetR6_2: R6.2 U3.2 | length 2.2
  Top Layer w0.7: U3.2 13.467,15.611 13.467,17.38 R6.2
NetR10_2: R10.2 SW1.1 SW1.3 | length 8.7
  Top Layer w0.7: SW1.1 SW1.3 28.581,29.089 28.581,31.059 R10.2@28.714,31.192
NetR18_2: R18.2 SW2.1 SW2.3 | length 8.7
  Top Layer w0.7: SW2.1 SW2.3 20.262,29.152 20.262,30.995 R18.2
RESET: C15.1 R16.2 SW2.2 SW2.4 X1.3 | length 51.9
  Top Layer w0.7: X1.3 18.253,66.424 19.102,66.424 20.136,65.39 20.136,54.54 v1(21.209,53.467) ; C15.1 22.873,31.231 25.119,31.231 R16.2 25.152,31.186 25.152,28.962 SW2.2 SW2.4
  Bottom Layer w0.7: v1(21.209,53.467) 23.053,51.623 23.053,31.049 SW2.2
RX0: H4.3 X1.36 | length 23.4
  Top Layer w0.381: v1(33.655,64.008) 33.667,63.996 35.641,63.996 X1.36
  Bottom Layer w0.381: H4.3 31.036,45.291 31.036,61.389 v1(33.655,64.008)
SCL: GY1.3 X1.4 | length 17.1
  Top Layer w0.5: GY1.3 14.616,62.992 16.878,65.254 X1.4
SDA: GY1.4 X1.5 | length 17.6
  Top Layer w0.5: GY1.4 2.532,60.452 4.272,62.192 14.948,62.192 16.74,63.984 X1.5
STDBY_LED: R4.2 U2.6 | length 2.8
  Top Layer w0.7: U2.6 6.781,26.782 6.781,27.958 6.911,28.088 6.911,28.271 7.297,28.657 7.297,28.707 7.697,29.107 R4.2
TX0: H4.2 X1.37 | length 27.8
  Top Layer w0.381: v1(33.655,65.278) 33.667,65.266 35.641,65.266 X1.37
  Bottom Layer w0.381: H4.2 32.004,41.656 30.355,43.305 30.355,61.978 v1(33.655,65.278)
USB_D+: 1.3 X1.14 | length 50.9
  Top Layer w0.3: 1.3 13.462,8.449 18.542,13.529 18.542,30.886 18.923,31.267 18.923,41.235 17.653,42.505 17.653,52.254 17.953,52.554 X1.14
USB_D-: 1.2 X1.13 | length 52.5
  Top Layer w0.3: 1.2 12.812,8.647 17.907,13.742 17.907,31.1 18.288,31.481 18.288,41.021 17.053,42.256 17.053,53.178 17.399,53.524 17.853,53.524 X1.13
VIN: 1.1 C3.1 D2.2 JP1.8 L1.1 L2.1 R1.2 U1.1 U2.4 U2.8 | length 61.5
  Top Layer w0.35: 1.1@12.05,5.414 12.162,5.302 1.1
  Top Layer w0.4: 11.763,6.271 12.05,5.985
  Top Layer w0.5: 1.1@12.05,5.414 12.05,5.985
  Top Layer w1: JP1.8 2.022,24.638 3.631,26.247 3.991,26.247 4.191,26.447 U2.8 3.991,26.932 3.991,27.896 3.861,28.026 3.861,34.901 4.431,35.471 4.547,35.471 5.397,36.322 L1.1 L2.1 7.882,36.187 10.295,36.187 D2.2 10.856,35.626 10.856,34.102 13.8,31.158 13.8,28.928 R1.2@14.05,28.678 ; C3.1 8.897,8.462 9.198,8.763 v3(9.271,8.763) 10.508,7.526 11.763,6.271 ; U2.4 8.001,22.067 8.201,22.267 8.387,22.267 8.896,22.776 8.896,23.477 13.797,28.378 13.797,28.428 14.047,28.678 R1.2@14.05,28.678 ; U2.4@8.201,21.75 10.084,21.75 10.743,21.091 10.743,21.007 v3(10.795,20.955) ; R1.2 R1.2@14.05,28.678
  Bottom Layer w1: v3(9.271,8.763) 9.271,8.836 10.795,10.36 v3(10.795,20.955)
pads on no net: 1.4 GY1.5 GY1.6 GY1.10 U1.4 U3.4 X1.15 X1.16 X1.24 X1.25 X1.26 X1.28 X1.29 X1.30

## Polygon pours and split planes (outlines as drawn)
B- on Top Layer "B-_L01_P000" (solid, remove dead copper, pour order 0): 0,0 40.005,0 40.005,69.977 0,69.977
B- on Bottom Layer "B-_L02_P001" (solid, remove dead copper, pour order 1): 0,0 40.005,0 40.005,69.977 0,69.977

## Keep-outs
Keep-Out Layer:
  the board outline again, w0.254

## Silkscreen, mask and mechanical layers (free items; w line width, h text height)
Top Overlay:
  text "MPU9255 / MPU6050" at 8.509,59.69 h1 r270
  text "ESP32 / S3-WROOM-1" at 31.75,58.42 h1 r180
  text "RX0" at 30.734,43.307 h1 r90
  text "7" at 3.175,42.672 h1 r270
  text "1" at 36.83,42.037 h1 r90
  text "15" at 3.175,40.64 h1 r270
  text "TX0" at 30.734,40.132 h1 r90
  text "2" at 36.83,39.497 h1 r90
  text "G" at 30.734,38.735 h1 r90
  text "STATE" at 9.144,38.354 h1 r180
  text "16" at 3.175,38.1 h1 r270
  text "USER LED" at 27.813,37.846 h1 r180
  text "42" at 36.83,36.449 h1 r90
  text "17" at 3.175,35.56 h1 r270
  text "41" at 36.83,34.163 h1 r90
  text "18" at 3.175,33.02 h1 r270
  text "40" at 36.83,31.496 h1 r90
  text "8" at 3.175,29.972 h1 r270
  text "39" at 36.83,28.956 h1 r90
  text "9" at 3.175,27.432 h1 r270
  text "38" at 36.83,26.416 h1 r90
  text "3V" at 36.83,23.749 h1 r90
  text "G" at 3.175,21.844 h1 r270
  text "G" at 36.83,21.717 h1 r90
  text "RESET" at 24.765,21.463 h1 r180
  text "BOOT" at 32.766,21.463 h1 r180
  text "G" at 36.83,19.177 h1 r90
  text "Pin li-ion" at 0.635,9.652 h1 r270
  text "BUTTON 2" at 27.178,9.271 h1 r90
  text "USB" at 14.859,7.62 h1 r180
  text "BUTTON 1" at 27.178,1.016 h1 r90

## Text inside footprints (layer, text, board x,y; h text height)
1: Mechanical 13 "PCB EDGE" at 13.97,0.085 h0.41